# Altium PCB BoardM.PcbDoc (part 1 of 6) (continued)
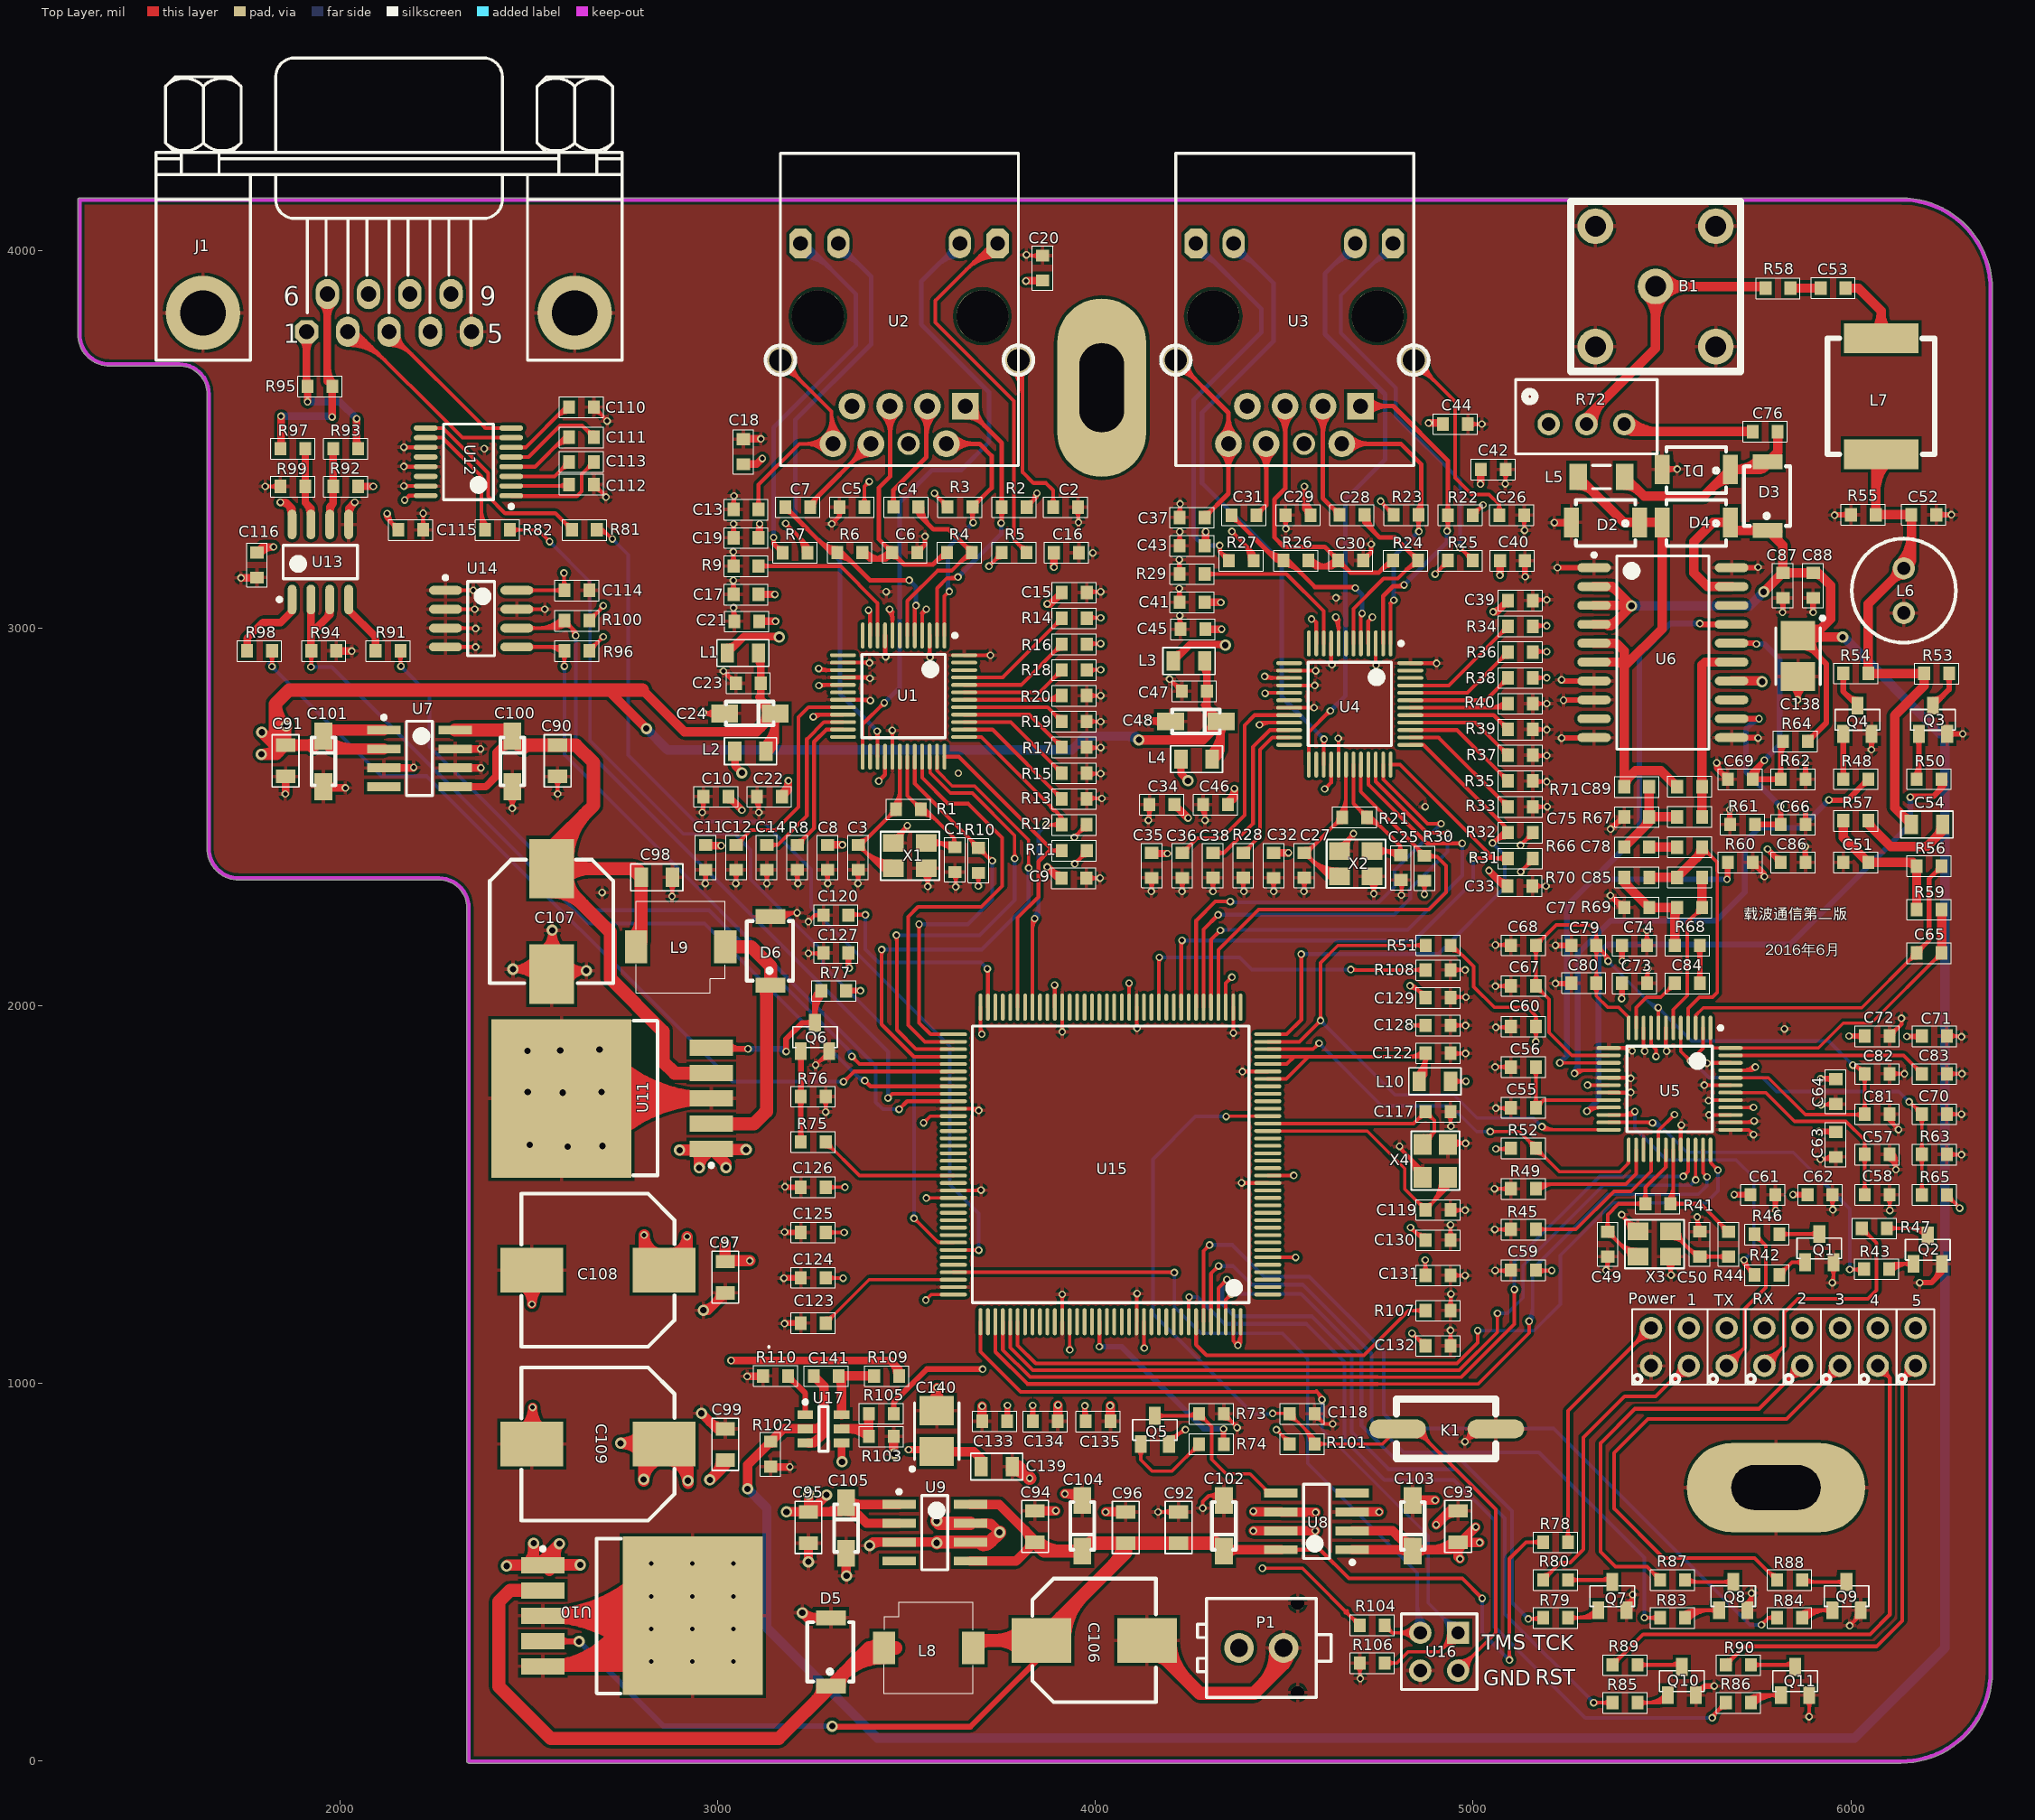
[diagram p0: Top Layer view]
## Footprints (in the part's own frame and the unit in brackets; to place one, negate y for a bottom-side part, rotate by r counter-clockwise, add the part's x,y. Pads: shape width x height; smd on the part's side, far side on the other; paste and mask are expansions set on the pad) (continued)
  oval 2.25x0.6 smd: 1(0,-11.43) 1(0,-8.89) 1(0,-7.62) 1(0,0) 1(9.25,-11.43) 1(9.25,0) 2(0,-3.81) 2(0,-2.54) 2(0,-1.27) 2(9.25,-1.27) 3(9.25,-2.54) 4(9.25,-3.81) 5(9.25,-5.08) 6(9.25,-6.35) 7(9.25,-7.62) 8(9.25,-8.89) 9(9.25,-10.16) 12(0,-10.16) 15(0,-6.35) 15(0,-5.08)
  silkscreen extent -0.12,-12.21 7.73,0.97, body extent 0.81,-12.21 8.41,0.79, height 2.65
RJ45 [mm]
  round 3.5 hole 3.5: 0(2.95,13.48) 0(2.95,2.42)
  rect 1.8x1.8 hole 1: 1(-3.09,3.57)
  round 1.8 hole 1: 2(-5.63,4.84) 3(-3.09,6.11) 5(-3.09,8.65) 6(-5.63,9.92) 7(-3.09,11.19) 8(-5.63,12.46)
  round 1.5 hole 1: 4(-5.63,7.38)
  oct 2x1.5 hole 0.991: 9(7.85,1.395) 12(7.85,14.645)
  oval 2x1.5 hole 0.991: 10(7.85,3.935) 11(7.85,12.105)
  round 1.8 hole 1.5: 13(0,16) 14(0,0)
  silkscreen extent -7.1,-1 13.9,17
"SLF6025   电感" [mm]
  rect 2.2x1.5 smd: 1(0,0) 2(0,-6)
  silkscreen extent -3.07,-6 3.09,0
SM2200 [mm]
  oval 1.65x0.25 smd: 1(-4.1,2.75) 2(-4.1,2.25) 3(-4.1,1.75) 4(-4.1,1.25) 5(-4.1,0.75) 6(-4.1,0.25) 7(-4.1,-0.25) 8(-4.1,-0.75) 9(-4.1,-1.25) 10(-4.1,-1.75) 11(-4.1,-2.25) 12(-4.1,-2.75) 25(4.1,-2.75) 26(4.1,-2.25) 27(4.1,-1.75) 28(4.1,-1.25) 29(4.1,-0.75) 30(4.1,-0.25) 31(4.1,0.25) 32(4.1,0.75) 33(4.1,1.25) 34(4.1,1.75) 35(4.1,2.25) 36(4.1,2.75)
  oval 0.25x1.65 smd: 13(-2.75,-4.1) 14(-2.25,-4.1) 15(-1.75,-4.1) 16(-1.25,-4.1) 17(-0.75,-4.1) 18(-0.25,-4.1) 19(0.25,-4.1) 20(0.75,-4.1) 21(1.25,-4.1) 22(1.75,-4.1) 23(2.25,-4.1) 24(2.75,-4.1) 37(2.75,4.1) 38(2.25,4.1) 39(1.75,4.1) 40(1.25,4.1) 41(0.75,4.1) 42(0.25,4.1) 43(-0.25,4.1) 44(-0.75,4.1) 45(-1.25,4.1) 46(-1.75,4.1) 47(-2.25,4.1) 48(-2.75,4.1)
  silkscreen extent -4.22,-2.88 2.88,3.55, body extent -3.5,-3.5 3.5,3.5, height 1.6
"Stm32f407ZET6 - duplicate" [mm] "TSQFP, 144-Leads, Body 22.2x22.2mm (max), Pitch 0.50mm, IPC Medium Density"
  oval 1.83x0.254 smd: 1(-10.575,8.75) 2(-10.575,8.25) 3(-10.575,7.75) 4(-10.575,7.25) 5(-10.575,6.75) 6(-10.575,6.25) 7(-10.575,5.75) 8(-10.575,5.25) 9(-10.575,4.75) 10(-10.575,4.25) 11(-10.575,3.75) 12(-10.575,3.25) 13(-10.575,2.75) 14(-10.575,2.25) 15(-10.575,1.75) 16(-10.575,1.25) 17(-10.575,0.75) 18(-10.575,0.25) 19(-10.575,-0.25) 20(-10.575,-0.75) 21(-10.575,-1.25) 22(-10.575,-1.75) 23(-10.575,-2.25) 24(-10.575,-2.75) 25(-10.575,-3.25) 26(-10.575,-3.75) 27(-10.575,-4.25) 28(-10.575,-4.75) 29(-10.575,-5.25) 30(-10.575,-5.75) 31(-10.575,-6.25) 32(-10.575,-6.75) 33(-10.575,-7.25) 34(-10.575,-7.75) 35(-10.575,-8.25) 36(-10.575,-8.75) 73(10.575,-8.75) 74(10.575,-8.25) 75(10.575,-7.75) 76(10.575,-7.25) 77(10.575,-6.75) 78(10.575,-6.25) 79(10.575,-5.75) 80(10.575,-5.25) 81(10.575,-4.75) 82(10.575,-4.25) 83(10.575,-3.75) 84(10.575,-3.25) 85(10.575,-2.75) 86(10.575,-2.25) 87(10.575,-1.75) 88(10.575,-1.25) 89(10.575,-0.75) 90(10.575,-0.25) 91(10.575,0.25) 92(10.575,0.75) 93(10.575,1.25) 94(10.575,1.75) 95(10.575,2.25) 96(10.575,2.75) 97(10.575,3.25) 98(10.575,3.75) 99(10.575,4.25) 100(10.575,4.75) 101(10.575,5.25) 102(10.575,5.75) 103(10.575,6.25) 104(10.575,6.75) 105(10.575,7.25) 106(10.575,7.75) 107(10.575,8.25) 108(10.575,8.75)
  oval 0.254x1.83 smd: 37(-8.75,-10.575) 38(-8.25,-10.575) 39(-7.75,-10.575) 40(-7.25,-10.575) 41(-6.75,-10.575) 42(-6.25,-10.575) 43(-5.75,-10.575) 44(-5.25,-10.575) 45(-4.75,-10.575) 46(-4.25,-10.575) 47(-3.75,-10.575) 48(-3.25,-10.575) 49(-2.75,-10.575) 50(-2.25,-10.575) 51(-1.75,-10.575) 52(-1.25,-10.575) 53(-0.75,-10.575) 54(-0.25,-10.575) 55(0.25,-10.575) 56(0.75,-10.575) 57(1.25,-10.575) 58(1.75,-10.575) 59(2.25,-10.575) 60(2.75,-10.575) 61(3.25,-10.575) 62(3.75,-10.575) 63(4.25,-10.575) 64(4.75,-10.575) 65(5.25,-10.575) 66(5.75,-10.575) 67(6.25,-10.575) 68(6.75,-10.575) 69(7.25,-10.575) 70(7.75,-10.575) 71(8.25,-10.575) 72(8.75,-10.575) 109(8.75,10.575) 110(8.25,10.575) 111(7.75,10.575) 112(7.25,10.575) 113(6.75,10.575) 114(6.25,10.575) 115(5.75,10.575) 116(5.25,10.575) 117(4.75,10.575) 118(4.25,10.575) 119(3.75,10.575) 120(3.25,10.575) 121(2.75,10.575) 122(2.25,10.575) 123(1.75,10.575) 124(1.25,10.575) 125(0.75,10.575) 126(0.25,10.575) 127(-0.25,10.575) 128(-0.75,10.575) 129(-1.25,10.575) 130(-1.75,10.575) 131(-2.25,10.575) 132(-2.75,10.575) 133(-3.25,10.575) 134(-3.75,10.575) 135(-4.25,10.575) 136(-4.75,10.575) 137(-5.25,10.575) 138(-5.75,10.575) 139(-6.25,10.575) 140(-6.75,10.575) 141(-7.25,10.575) 142(-7.75,10.575) 143(-8.25,10.575) 144(-8.75,10.575)
  silkscreen extent -9.3,-9.3 9.3,9.3, body extent -10,-10 10,10, height 0.16
W5500 [mm] "TSQFP, 48-Leads, Body 9.2x9.2mm (max), Pitch 0.50mm, IPC Medium Density"
  oval 1.75x0.254 smd: 1(-4.075,2.75) 2(-4.075,2.25) 3(-4.075,1.75) 4(-4.075,1.25) 5(-4.075,0.75) 6(-4.075,0.25) 7(-4.075,-0.25) 8(-4.075,-0.75) 9(-4.075,-1.25) 10(-4.075,-1.75) 11(-4.075,-2.25) 12(-4.075,-2.75) 25(4.075,-2.75) 26(4.075,-2.25) 27(4.075,-1.75) 28(4.075,-1.25) 29(4.075,-0.75) 30(4.075,-0.25) 31(4.075,0.25) 32(4.075,0.75) 33(4.075,1.25) 34(4.075,1.75) 35(4.075,2.25) 36(4.075,2.75)
  oval 0.254x1.75 smd: 13(-2.75,-4.075) 14(-2.25,-4.075) 15(-1.75,-4.075) 16(-1.25,-4.075) 17(-0.75,-4.075) 18(-0.25,-4.075) 19(0.25,-4.075) 20(0.75,-4.075) 21(1.25,-4.075) 22(1.75,-4.075) 23(2.25,-4.075) 24(2.75,-4.075) 37(2.75,4.075) 38(2.25,4.075) 39(1.75,4.075) 40(1.25,4.075) 41(0.75,4.075) 42(0.25,4.075) 43(-0.25,4.075) 44(-0.75,4.075) 45(-1.25,4.075) 46(-1.75,4.075) 47(-2.25,4.075) 48(-2.75,4.075)
  silkscreen extent -4.2,-2.8 2.8,3.58, body extent -3.5,-3.5 3.5,3.5, height 1.6
外插小灯 [mm]
  round 1.5 hole 0.9: 1(0,0) 2(2.54,0)
  silkscreen extent -1.27,-1.27 3.81,1.27
工字电感0608 [mm]
  round 1.5 hole 0.9: 1(0,0) 2(3,0)
  silkscreen extent -2,-3.5 5,3.5
贴片按键 [mil]
  oval 150x50 smd: 1(0,0) 2(260,0)
  silkscreen extent 0,-79 263,79
贴片铝电容-8*10.3 [mm]
  rect 4x3 smd: 1(0.6,0) 2(7.7,0)
  silkscreen extent 0,-4.15 8.3,4.15
贴片铝电容-10*10 [mm]
  rect 4.2x3 smd: 1(0.7,0) 2(9.6,0)
  silkscreen extent 0,-5.15 10.3,5.15
钽电容1206（A3216） [mm]
  rect 1.8x1.2 smd: 1(3.3,0) 2(-0.1,0)
  silkscreen extent 0,-0.8 3.2,0.8

## Part data
C49 C50 C55 C56 C57 C58 C59 C60 C61 C62 C63 C64 C67 C68 C71 C72 C73 C74 C79 C80 C81 C82 C83: library part Capacito
C90 C91 C92 C93 C94 C95 C96 C97 C98 C99 C122 C124 C125 C126 C127 C128 C129 C130 C131 C132 C133 C134 C135 C139 C141: library part Capacitor
C117 C118 C119: library part Capacitor-0
D5 D6: library part I
L8 L9 L10: library part Ind
R41 R42 R43 R44 R45 R46 R47 R49 R51 R52: library part Resisto
R101 R104 R106: library part Resistor-0
R107 R108: library part Resistor
U7 U8 U9 U10 U11: library part L
U15: library part STM32F407Z
U16: "Header, 2-Pin, Dual row"

## Free pads (board coordinates)
  oval 236.22x472.44 hole 118.11 slot 236.22 at 90 deg: 0(4016.6,3636.45)
  oval 472.44x236.22 hole 118.11 slot 236.22 at 0 deg: 0(5801.6,724.45)

## Via types
v1: diameter 20, hole 12, Top Layer to Bottom Layer, 480 vias
v2: diameter 30, hole 17, Top Layer to Bottom Layer, 54 vias

## Nets (pads, with @x,y where several pads share a name; then routed paths per layer and width w, separated by ;. In a path a pad name is that pad's centre, name@x,y a point inside that pad or via, vN(x,y) a via of type N, cw(c..) or ccw(c..) an arc to the next point about the centre after c; other vN are vias at no path point)
3V3A1: C5.2 C15.1 C16.1 C17.1 C18.1 C19.1 C20.1 C21.1 L1.2 R2.2 R3.2 R5.2 R7.2 R14.2 R16.2 R18.2 U1.4 U1.8 U1.11 U1.15 U1.17 U2.4 | length 1946.3
  Top Layer w10: C19.1@3108,3239.14 C19.1@3111,3242.14 ; v1@3180,3272 cw(c3180,3259.93) 3188.54,3268.46 cw(c3197.07,3277) v1@3185,3277 ; v1(3180,3277) 3238,3219 ; 3207.21,3249.79 cw(c3158.84,3201.41) R7.2@3227.25,3201.41 ; 3224.28,3232.72 cw(c3192.98,3201.41) R7.2@3237.25,3201.41 ; R7.2@3233.1,3210.97 ccw(c3228.98,3219) 3238,3219 ; R7.2@3238,3199.44 3238,3219 ; R7.2@3242.9,3210.97 cw(c3247.02,3219) 3238,3219 ; v1@3269.53,2849.53 U1.17@3331.57,2849.53 ; v1@3271.1,2888.9 U1.15@3331.57,2888.9 ; C5.2@3380.65,3329.57 ccw(c3362.3,3347.92) 3388.25,3347.92 ccw(c3414.2,3347.92) C5.2@3395.85,3329.57 ; C5.2@3388.25,3320 3388.25,3375.25 v1(3401,3388) ; v1@3396,3388 cw(c3383.93,3388) 3392.46,3379.46 cw(c3401,3370.93) v1@3401,3383 ; U1.11@3403.42,2980.43 v1@3403.42,3042.58 ; U1.8@3462.47,2980.43 3462.47,3042.53 ; U1.4@3541.21,2980.43 3541.21,3039.21 ; v1@3574,3355.16 R3.2@3608.6,3320.56 ; v1@3579,3357 ccw(c3595.51,3357) 3583.84,3345.32 ; 3586.89,3342.27 ccw(c3608.6,3363.98) R3.2@3608.6,3333.28 ; 3591.64,3337.52 cw(c3576.66,3322.53) R3.2@3597.85,3322.53 ; v1(3718,3164) 3751.85,3197.85 R5.2@3751.85,3200 ; v1@3718,3169 ccw(c3718,3181.07) 3726.54,3172.54 ccw(c3735.07,3164) v1@3723,3164 ; 3733.37,3179.37 ccw(c3714.72,3198.03) R5.2@3741.1,3198.03 ; 3733.81,3179.81 cw(c3751.85,3161.77) R5.2@3751.85,3187.28 ; R2.2@3818,3320 3845,3347 v1(3845,3357) ; R2.2@3818,3332.72 ccw(c3818,3363.42) 3839.71,3341.71 ; R2.2@3828.75,3321.97 cw(c3849.94,3321.97) 3834.96,3336.96 ; R2.2@3829.39,3331.39 ccw(c3803.79,3357) v1@3840,3357 ; R18.2@3977.72,2889.75 v1(4014,2889.75) ; R16.2@3978.15,2958.5 v1(4014,2958.5) ; R14.2@3978.57,3027.25 v1(4014,3027.25) ; R18.2@3984.6,2881.43 cw(c4004.69,2861.34) v1@4004.69,2889.75 ; R18.2@3984.6,2896.63 ccw(c4001.21,2913.24) 4001.21,2889.75 ; R16.2@3984.6,2951.72 cw(c4000.97,2935.36) 4000.97,2958.5 ; R16.2@3984.6,2966.92 ccw(c4004.93,2987.25) v1@4004.93,2958.5 ; R14.2@3984.6,3020.04 cw(c4002,3002.65) 4002,3027.25 ; R14.2@3984.6,3035.24 ccw(c4003.9,3054.54) 4003.9,3027.25 ; v1@4010.46,2886.21 ccw(c4001.93,2877.68) 4001.93,2889.75 ccw(c4001.93,2901.82) v1@4010.46,2893.29 ; v1@4010.46,2954.96 ccw(c4001.93,2946.43) 4001.93,2958.5 ccw(c4001.93,2970.57) v1@4010.46,2962.04 ; v1@4010.46,3023.71 ccw(c4001.93,3015.18) 4001.93,3027.25 ccw(c4001.93,3039.32) v1@4010.46,3030.79
  Top Layer w12: v1(3267,2893) v1@3271.1,2888.9 ; v1(3268,2848) v1@3269.53,2849.53 ; v1@3269.83,2895.83 ccw(c3286.56,2912.56) 3286.56,2888.9 ; v1@3270.83,2845.17 cw(c3281.34,2834.66) 3281.34,2849.53 ; v1(3399,3047) v1@3403.42,3042.58 ; v1@3452.17,3047.17 cw(c3427.3,3022.3) 3462.47,3022.3 ; v1(3455,3050) 3462.47,3042.53 ; 3541.21,3039.21 v1(3552,3050)
  Top Layer w20: L1.2@3025.32,2934 3068.91,2977.59 3161.41,2977.59 v2(3163,2976) ; L1.2@3025.32,2949.59 ccw(c3025.32,2987.23) 3051.94,2960.61 ; C18.1@3068,3434 3103,3434 v1(3118,3449) ; C19.1@3103.94,3245.17 ccw(c3086.88,3262.23) 3111,3262.23 ; C17.1@3108,3089.42 v1@3150.58,3089.42 ; C21.1@3110,3018 v1(3153,3018) ; C19.1@3111,3242.14 v1(3111,3276) ; 3147.09,2977.59 cw(c3147.09,2960.09) v2@3159.46,2972.46 ; v1(3816,3919) 3817,3920 C20.1@3860,3920 ; 3887.36,3070.36 cw(c3872,3085.73) v1(3872,3064) 3881,3064 C15.1@3911,3094 ; v1(3890,3161) C16.1@3890,3199.44 ; C15.1@3897.83,3080.83 cw(c3911,3067.65) C15.1@3911,3086.28
  other v1: 3151,3089 3574,3357
3V3A2: C29.2 C39.1 C40.1 C41.1 C42.1 C43.1 C44.1 C45.1 L3.2 R22.2 R23.2 R25.2 R27.2 R34.2 R36.2 R38.2 U3.4 U4.4 U4.8 U4.11 U4.15 U4.17 | length 1983
  Top Layer w10: C43.1@4289,3218.14 C43.1@4292,3221.14 ; v1@4361,3251 cw(c4361,3238.93) 4369.54,3247.46 cw(c4378.07,3256) v1@4366,3256 ; v1(4361,3256) 4419,3198 ; 4388.21,3228.79 cw(c4339.84,3180.41) R27.2@4408.25,3180.41 ; 4405.28,3211.72 cw(c4373.98,3180.41) R27.2@4418.25,3180.41 ; R27.2@4414.1,3189.97 ccw(c4409.98,3198) 4419,3198 ; R27.2@4419,3178.44 4419,3198 ; R27.2@4423.9,3189.97 cw(c4428.02,3198) 4419,3198 ; v1@4450.53,2828.53 U4.17@4512.57,2828.53 ; v1@4452.1,2867.9 U4.15@4512.57,2867.9 ; v1@4576,3024 4584.42,3015.58 U4.11@4584.42,2959.43 ; U4.8@4643.47,2959.43 4643.47,3021.53 ; U4.4@4722.21,2959.43 4722.21,3018.21 v1(4733,3029) ; v1@4755,3334.16 R23.2@4789.6,3299.56 ; v1@4760,3336 ccw(c4776.51,3336) 4764.84,3324.32 ; 4767.89,3321.27 ccw(c4789.6,3342.98) R23.2@4789.6,3312.28 ; 4772.64,3316.52 cw(c4757.66,3301.53) R23.2@4778.85,3301.53 ; v1(4899,3143) 4932.85,3176.85 R25.2@4932.85,3179 ; v1@4899,3148 ccw(c4899,3160.07) 4907.54,3151.54 ccw(c4916.07,3143) v1@4904,3143 ; 4914.37,3158.37 ccw(c4895.72,3177.03) R25.2@4922.1,3177.03 ; 4914.81,3158.81 cw(c4932.85,3140.77) R25.2@4932.85,3166.28 ; R22.2@4999,3299 v1(5026,3326) ; R22.2@4999,3311.72 ccw(c4999,3342.42) v1@5020.71,3320.71 ; R22.2@5009.75,3300.97 cw(c5030.94,3300.97) 5015.96,3315.96 ; v1@5021,3326 cw(c5008.93,3326) 5017.46,3317.46 cw(c5026,3308.93) v1@5026,3321 ; R38.2@5158.72,2868.75 v1(5195,2868.75) ; R36.2@5159.15,2937.5 v1(5195,2937.5) ; R34.2@5159.57,3006.25 v1(5195,3006.25) ; R38.2@5165.6,2860.43 cw(c5185.69,2840.34) v1@5185.69,2868.75 ; R38.2@5165.6,2875.63 ccw(c5182.21,2892.24) 5182.21,2868.75 ; R36.2@5165.6,2930.72 cw(c5181.97,2914.36) 5181.97,2937.5 ; R36.2@5165.6,2945.92 ccw(c5185.93,2966.25) v1@5185.93,2937.5 ; R34.2@5165.6,2999.04 cw(c5183,2981.65) 5183,3006.25 ; R34.2@5165.6,3014.24 ccw(c5184.9,3033.54) 5184.9,3006.25 ; v1@5191.46,2865.21 ccw(c5182.93,2856.68) 5182.93,2868.75 ccw(c5182.93,2880.82) v1@5191.46,2872.29 ; v1@5191.46,2933.96 ccw(c5182.93,2925.43) 5182.93,2937.5 ccw(c5182.93,2949.57) v1@5191.46,2941.04 ; v1@5191.46,3002.71 ccw(c5182.93,2994.18) 5182.93,3006.25 ccw(c5182.93,3018.32) v1@5191.46,3009.79
  Top Layer w12: v1(4448,2872) v1@4452.1,2867.9 ; v1@4450.83,2874.83 ccw(c4467.56,2891.56) 4467.56,2867.9 ; 4553,3334.76 ccw(c4603.04,3334.76) C29.2@4567.66,3299.38 ; 4553,3363.73 ccw(c4632.01,3363.73) C29.2@4576.14,3307.86 ; v1(4553,3375) 4553,3315.25 C29.2@4569.25,3299 ; C29.2@4559.5,3300.97 ccw(c4540.72,3300.97) 4554,3314.25 ccw(c4563.98,3324.26) C29.2@4567.1,3310.48 ; v1@4633.17,3026.17 cw(c4608.3,3001.3) 4643.47,3001.3 ; v1(4636,3029) 4643.47,3021.53
  Top Layer w20: L3.2@4206.32,2913 4249.91,2956.59 4342.41,2956.59 v2(4344,2955) ; L3.2@4206.32,2928.59 ccw(c4206.32,2966.23) 4232.94,2939.61 ; C43.1@4284.94,3224.17 ccw(c4267.88,3241.23) 4292,3241.23 ; C41.1@4289,3068.42 v1@4331.58,3068.42 ; C45.1@4291,2997 v1(4334,2997) ; C43.1@4292,3221.14 v1(4292,3255) ; 4328.09,2956.59 cw(c4328.09,2939.09) v2@4340.46,2951.46 ; v1(4882,3543) 4917,3543 C44.1@4920,3540 ; 4903.63,3543 cw(c4903.63,3525.6) C44.1@4915.94,3537.9 ; v1@5020,3382 C42.1@5020,3420 ; 5068.36,3049.36 cw(c5053,3064.73) v1(5053,3043) 5062,3043 C39.1@5092,3073 ; v1(5071,3140) C40.1@5071,3178.44 ; C39.1@5078.83,3059.83 cw(c5092,3046.65) C39.1@5092,3065.28
  other v1: 4449,2827 4572,3024 4332,3068 4755,3336 5019,3381
3V3D1: C8.1 C9.1 C10.1 C11.1 C22.1 L2.2 R10.2 R11.2 R12.1 U1.21 U1.28 | length 948.2
  Top Layer w10: v1(3253,2765) 3258.79,2770.79 U1.21@3331.57,2770.79 ; v1@3256.54,2761.46 cw(c3279.04,2738.96) 3279.04,2770.79 ; v1(3426,2595) 3442.79,2611.79 U1.28@3442.79,2659.57 ; v1@3426,2600 ccw(c3426,2612.07) 3434.54,2603.54 ccw(c3443.07,2595) v1@3431,2595 ; R10.2@3682.4,2344.4 cw(c3664.05,2326.05) 3690,2326.05 cw(c3715.95,2326.05) R10.2@3697.6,2344.4 ; v1@3686.46,2320.54 ccw(c3677.93,2329.07) 3690,2329.07 ccw(c3702.07,2329.07) v1@3693.54,2320.54 ; v1(3690,2317) R10.2@3690,2352 ; C9.1@3902,2338 C9.1@3910,2338 ; v1(3944,2446) 3976.85,2478.85 R12.1@3976.85,2479.65 ; v1@3944,2451 ccw(c3944,2463.07) 3952.54,2454.54 ccw(c3961.07,2446) v1@3949,2446 ; v1(3945,2376) 3977,2408 R11.2@3977,2410.76 ; v1@3945,2381 ccw(c3945,2393.07) 3953.54,2384.54 ccw(c3962.07,2376) v1@3950,2376 ; 3956.5,2458.5 cw(c3976.85,2438.15) R12.1@3976.85,2466.93 ; 3958.09,2389.09 ccw(c3938.38,2408.8) R11.2@3966.25,2408.8 ; 3959.33,2461.33 ccw(c3942.98,2477.68) R12.1@3966.1,2477.68 ; 3960.01,2391.01 cw(c3977,2374.02) R11.2@3977,2398.05
  Top Layer w20: C11.1@2968,2425.85 2969.85,2424 v1(3009,2424) ; C11.1@2974.03,2429.91 ccw(c2988.31,2444.19) 2988.31,2424 ; C10.1@3028,2546.28 cw(c3028,2527.65) C10.1@3041.17,2540.83 ; C10.1@3028,2554 v1(3064,2518) ; L2.2@3039.87,2660.67 cw(c3026.69,2647.5) 3045.32,2647.5 cw(c3063.95,2647.5) L2.2@3050.78,2660.67 ; L2.2@3045.32,2674 3045.32,2635.68 v2(3064,2617) ; C22.1@3167.06,2560.91 ccw(c3146.15,2596) v1(3187,2596) 3187,2571 C22.1@3170,2554 ; C22.1@3170,2561.72 ccw(c3170,2580.35) C22.1@3183.17,2567.17 ; C8.1@3290.75,2425.85 3290.9,2426 v1(3330,2426) ; v1(3872.21,2367.79) C9.1@3902,2338 ; 3883.17,2356.83 ccw(c3910,2383.66) C9.1@3910,2345.72
3V3D2: C32.1 C33.1 C34.1 C35.1 C46.1 L4.2 R30.2 R31.2 R32.1 U4.21 U4.28 | length 955.8
  Top Layer w10: v1@4437.54,2740.46 cw(c4460.04,2717.96) 4460.04,2749.79 ; v1@4439.79,2749.79 U4.21@4512.57,2749.79 ; v1(4607,2574) 4623.79,2590.79 U4.28@4623.79,2638.57 ; v1@4607,2579 ccw(c4607,2591.07) 4615.54,2582.54 ccw(c4624.07,2574) v1@4612,2574 ; R30.2@4863.4,2323.4 cw(c4845.05,2305.05) 4871,2305.05 cw(c4896.95,2305.05) R30.2@4878.6,2323.4 ; v1@4867.46,2298.54 ccw(c4858.93,2307.07) 4871,2307.07 ccw(c4883.07,2307.07) v1@4874.54,2298.54 ; v1@4871,2296 R30.2@4871,2331 ; C33.1@5083,2317 C33.1@5091,2317 ; v1(5125,2425) 5157.85,2457.85 R32.1@5157.85,2458.65 ; v1@5125,2430 ccw(c5125,2442.07) 5133.54,2433.54 ccw(c5142.07,2425) v1@5130,2425 ; v1(5126,2355) 5158,2387 R31.2@5158,2389.76 ; v1@5126,2360 ccw(c5126,2372.07) 5134.54,2363.54 ccw(c5143.07,2355) v1@5131,2355 ; 5137.5,2437.5 cw(c5157.85,2417.15) R32.1@5157.85,2445.93 ; 5139.09,2368.09 ccw(c5119.38,2387.8) R31.2@5147.25,2387.8 ; 5140.33,2440.33 ccw(c5123.98,2456.68) R32.1@5147.1,2456.68 ; 5141.01,2370.01 cw(c5158,2353.02) R31.2@5158,2377.05
  Top Layer w20: C35.1@4149,2404.85 4150.85,2403 v1(4190,2403) ; C35.1@4155.03,2408.91 ccw(c4169.31,2423.19) 4169.31,2403 ; C34.1@4209,2525.28 cw(c4209,2506.65) C34.1@4222.17,2519.83 ; C34.1@4209,2533 v1(4245,2497) ; L4.2@4220.87,2639.67 cw(c4207.69,2626.5) 4226.32,2626.5 cw(c4244.95,2626.5) L4.2@4231.78,2639.67 ; L4.2@4226.32,2653 4226.32,2614.68 v2(4245,2596) ; C46.1@4348.06,2539.91 ccw(c4327.15,2575) v1(4368,2575) 4368,2550 C46.1@4351,2533 ; C46.1@4351,2540.72 ccw(c4351,2559.35) C46.1@4364.17,2546.17 ; C32.1@4471.75,2404.85 4471.9,2405 v1(4511,2405) ; v1(5042,2358) C33.1@5083,2317 ; 5064.17,2335.83 ccw(c5091,2362.66) C33.1@5091,2324.72
  other v1: 4871,2295 4434,2744
ACTLED1: U1.27 U2.11 | length 1705.3
  Top Layer w10: U1.27@3423.1,2659.57 v1@3423.1,2725.9
  Top Layer w12: v1@3419.17,2724.17 cw(c3409.68,2714.68) 3423.1,2714.68
  Bottom Layer w12: U2.11@3318.06,4018.5 3406,3930.57 3406,3752 3205,3551 3205,3296 3324,3177 3324,2825 v1(3422,2727) ; U2.11@3319.33,3985.13 cw(c3319.33,3907.63) 3374.13,3962.43 ; U2.11@3319.33,3997.13 cw(c3319.33,3948.6) 3353.65,3982.92 ; U2.11@3342.86,4008.66 ccw(c3378.96,4008.66) 3353.43,3983.14
ACTLED2: U3.11 U4.27 | length 1773.4
  Top Layer w10: U4.27@4604.3,2638.57 v1@4604.3,2704.7
  Top Layer w12: 4604.3,2694.66 cw(c4616.34,2694.66) v1@4607.83,2703.17
  Bottom Layer w12: U3.11@4366.06,3985.13 cw(c4366.06,3904.57) 4423.03,3961.54 ; U3.11@4366.06,3997.13 cw(c4366.06,3945.54) 4402.54,3982.02 ; U3.11@4366.06,4018.5 4471,3913.57 4471,3759 4282,3570 4282,3384 4493,3173 4493,2818 v1(4605,2706) ; U3.11@4389.59,4008.66 ccw(c4422.63,4008.66) 4399.27,3985.3
ADC_IN: C65.1 R59.2 U5.1 U5.48 | length 922.5
  Top Layer w9: U5.1@5628.27,1941.42 5628.27,1894.73 5634.73,1888.27 U5.48@5681.42,1888.27 5914.27,1888.27 5980,1954 6054,1954 C65.1@6240,2140 ; 6217.44,2117.44 cw(c6240,2094.88) C65.1@6240,2126.78 ; 6222.19,2122.19 ccw(c6206.35,2138.03) C65.1@6228.75,2138.03
  Top Layer w25: C65.1@6240.15,2140.15 R59.2@6240.15,2254.58